# KiCad board wired-wizza.kicad_pcb
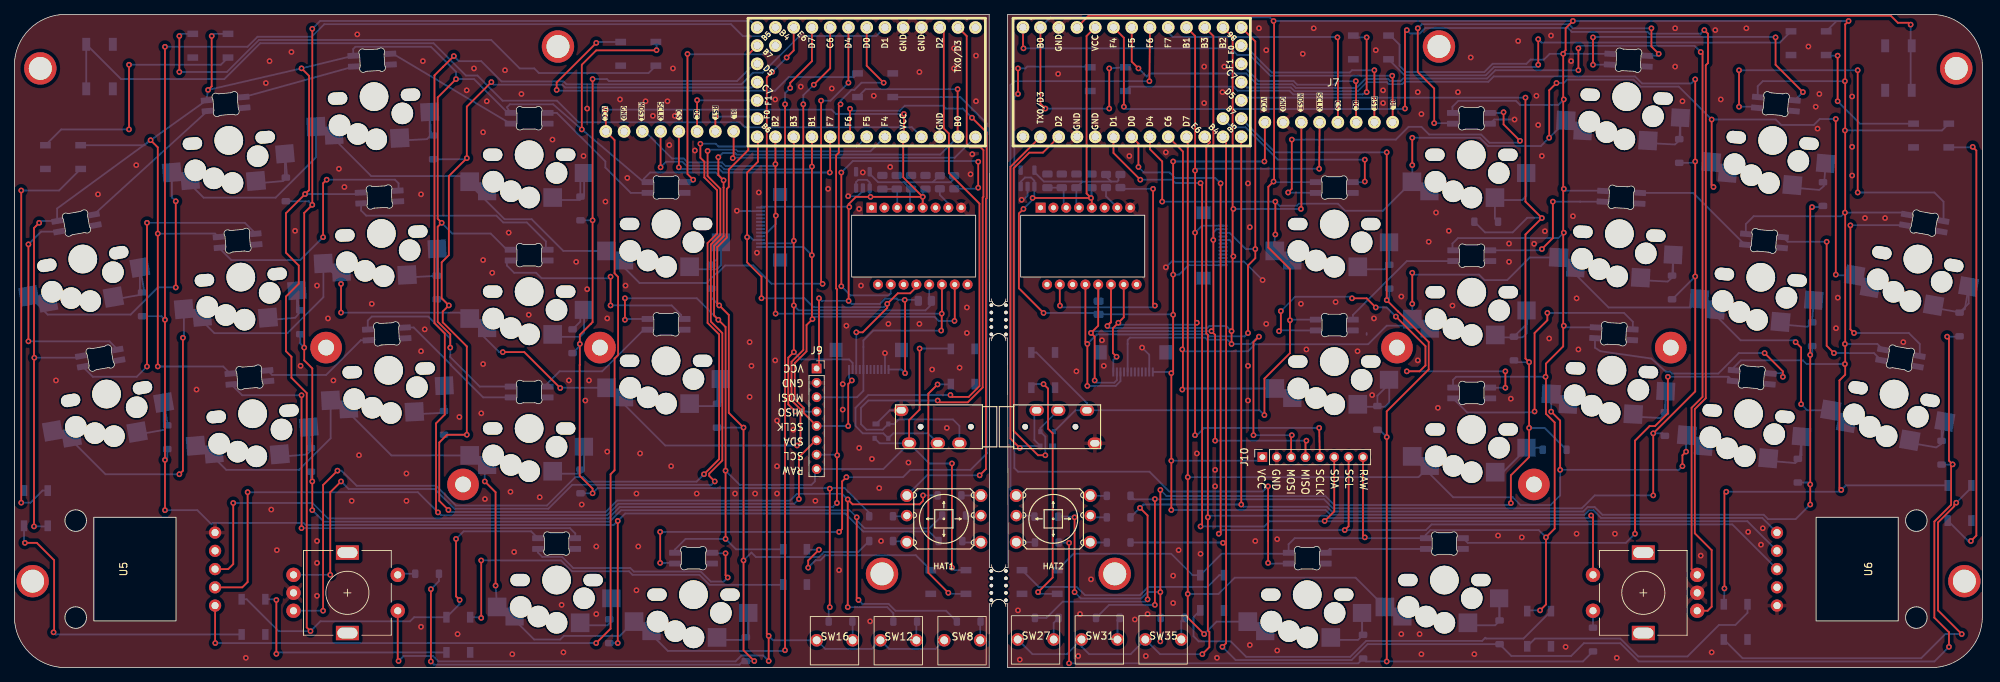
[diagram p0: board, top side]
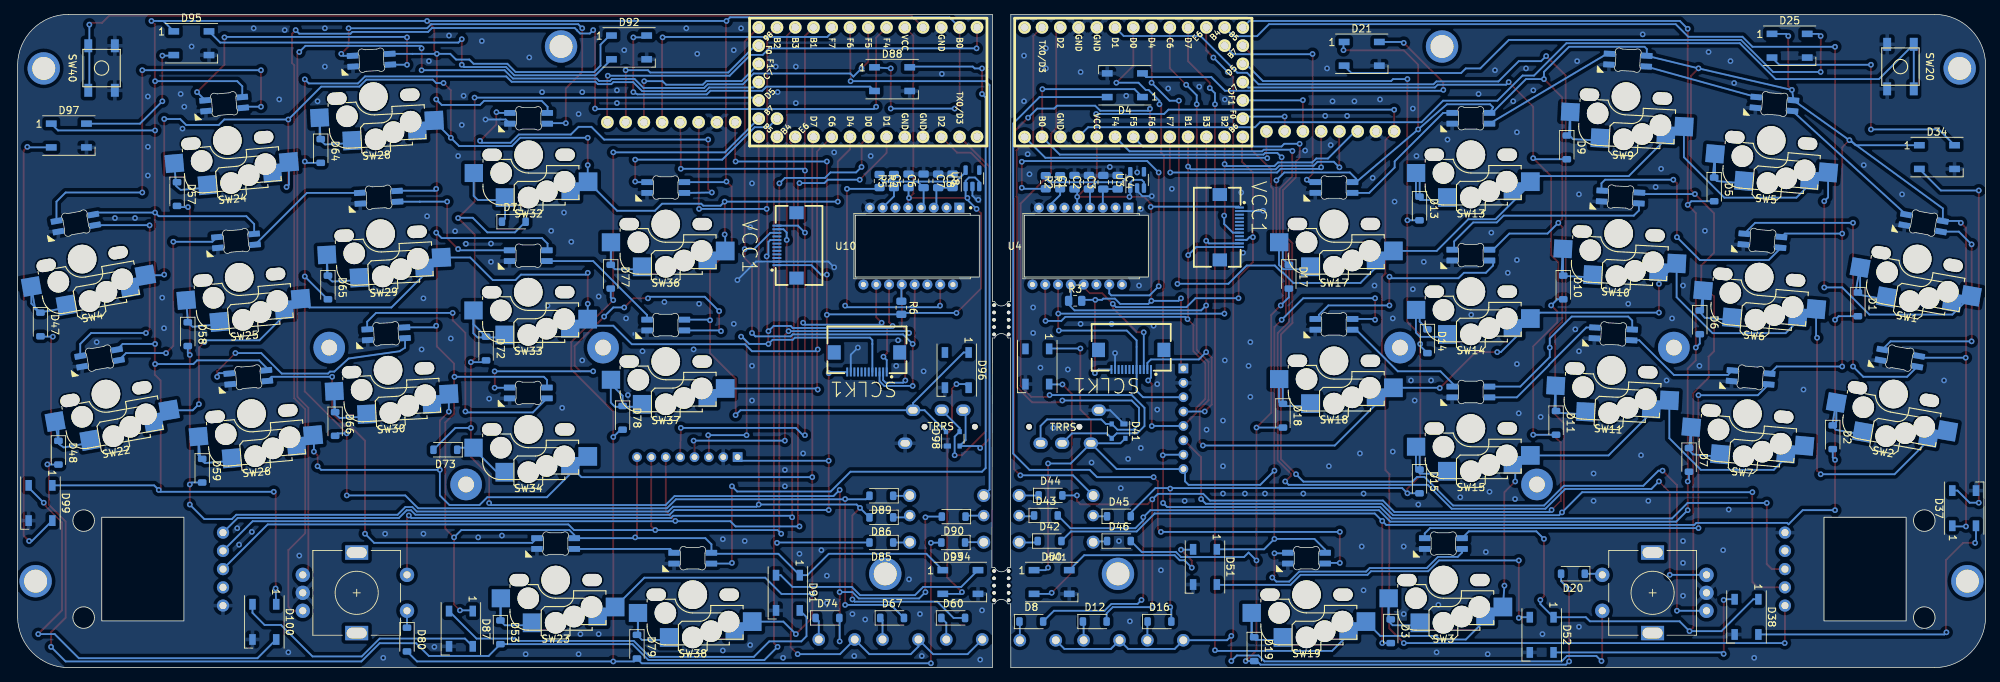
[diagram p1: board, bottom side, seen from below]

Outline 273.84 x 90.93 mm; copper layers: Top, Bottom. Coordinates in mm from the lower left corner of the outline.
Outline path: 0,83.82 arc(2.08,88.85) 7.11,90.93 135.64,90.93 135.66,50.96 136.03,50.96 arc(136.96,50.34) 137.88,50.96 138.2,50.96 138.2,90.93 266.72,90.93 arc(271.75,88.85) 273.84,83.82 273.84,7.11 arc(271.75,2.08) 266.72,0 138.2,0 138.2,8.88 137.88,8.88 arc(136.95,9.5) 136.03,8.88 135.66,8.88 135.64,0 7.11,0 arc(2.08,2.08) 0,7.11 0,83.82 ; 135.66,13.96 135.66,45.88 136.03,45.88 arc(136.95,46.5) 137.88,45.88 138.2,45.88 138.27,13.96 137.88,13.96 arc(136.95,13.34) 136.03,13.96 135.66,13.96
Stack: Top 0.035mm / dielectric 1.51mm FR4 er 4.5 / Bottom 0.035mm

## Placement (name value [footprint] x y rotation side)
C1  0.1uF  [C_0805_2012Metric]  126.77 67.57 90 bottom
C2  1uF  [C_0805_2012Metric]  124.77 67.57 90 bottom
C3  4.7uF  [C_0805_2012Metric]  122.77 67.57 90 bottom
C4  0.1uF  [C_0805_2012Metric]  120.77 67.57 270 bottom
C5  0.1uF  [C_0805_2012Metric]  149.87 67.75 90 bottom
C6  1uF  [C_0805_2012Metric]  147.77 67.76 90 bottom
C7  4.7uF  [C_0805_2012Metric]  143.74 67.76 90 bottom
C8  0.1uF  [C_0805_2012Metric]  145.74 67.76 270 bottom
D1  1N4148  [D_SOD-123]  17.77 50.57 270 bottom
D2  1N4148  [D_SOD-123]  21.27 32.07 270 bottom
D3  1N4148  [D_SOD-123]  82.77 5.07 270 bottom
D4  WS2812B  [LED_WS2812B_PLCC4_5.0x5.0mm_P3.2mm]  119.77 81.07 0 bottom
D5  1N4148  [D_SOD-123]  37.77 66.57 270 bottom
D6  1N4148  [D_SOD-123]  39.77 48.07 270 bottom
D7  1N4148  [D_SOD-123]  41.27 28.92 270 bottom
D8  1N4148  [D_SOD-123]  132.79 6.42 180 bottom
D9  1N4148  [D_SOD-123]  58.27 72.42 270 bottom
D10  1N4148  [D_SOD-123]  58.77 52.92 270 bottom
D11  1N4148  [D_SOD-123]  59.77 34.07 270 bottom
D12  1N4148  [D_SOD-123]  123.95 6.42 180 bottom
D13  1N4148  [D_SOD-123]  78.77 63.92 270 bottom
D14  1N4148  [D_SOD-123]  77.67 45.44 270 bottom
D15  1N4148  [D_SOD-123]  78.77 25.92 270 bottom
D16  1N4148  [D_SOD-123]  114.95 6.42 180 bottom
D17  1N4148  [D_SOD-123]  96.95 54.42 270 bottom
D18  1N4148  [D_SOD-123]  97.77 35.07 270 bottom
D19  1N4148  [D_SOD-123]  101.77 2.57 270 bottom
D20  1N4148  [D_SOD-123]  57.42 13.07 0 bottom
D21  WS2812B  [LED_WS2812B_PLCC4_5.0x5.0mm_P3.2mm]  86.81 85.44 180 bottom
D22  SK6812MINI-E  [MX_SK6812MINI-E_REV]  90.68 61.75 180 top
D23  SK6812MINI-E  [MX_SK6812MINI-E_REV]  31.5 54.36 185 top
D24  SK6812MINI-E  [MX_SK6812MINI-E_REV]  33.15 35.34 185 top
D25  WS2812B  [LED_WS2812B_PLCC4_5.0x5.0mm_P3.2mm]  27.27 86.57 180 bottom
D26  SK6812MINI-E  [MX_SK6812MINI-E_REV]  71.63 71.39 180 top
D27  SK6812MINI-E  [MX_SK6812MINI-E_REV]  51.07 60.44 183 top
D28  SK6812MINI-E  [MX_SK6812MINI-E_REV]  75.45 12.19 180 top
D29  SK6812MINI-E  [MX_SK6812MINI-E_REV]  50.05 79.49 183 top
D30  SK6812MINI-E  [MX_SK6812MINI-E_REV]  71.63 52.34 180 top
D31  SK6812MINI-E  [MX_SK6812MINI-E_REV]  94.5 10.16 180 top
D32  SK6812MINI-E  [MX_SK6812MINI-E_REV]  29.83 73.39 185 top
D33  SK6812MINI-E  [MX_SK6812MINI-E_REV]  90.68 42.7 180 top
D34  WS2812B  [LED_WS2812B_PLCC4_5.0x5.0mm_P3.2mm]  6.77 71.07 180 bottom
D35  SK6812MINI-E  [MX_SK6812MINI-E_REV]  9.52 56.88 190 top
D36  SK6812MINI-E  [MX_SK6812MINI-E_REV]  71.63 33.29 180 top
D37  WS2812B  [LED_WS2812B_PLCC4_5.0x5.0mm_P3.2mm]  2.99 22.2 90 bottom
D38  WS2812B  [LED_WS2812B_PLCC4_5.0x5.0mm_P3.2mm]  33.27 7.07 270 bottom
D39  SK6812MINI-E  [MX_SK6812MINI-E_REV]  12.82 38.08 190 top
D40  SK6812MINI-E  [MX_SK6812MINI-E_REV]  52.08 41.38 183 top
D41  PRTR5V0U2X  [SOT-143]  120.65 32.92 270 bottom
D42  1N4148  [D_SOD-123]  130.25 17.62 180 bottom
D43  1N4148  [D_SOD-123]  130.75 21.18 180 bottom
D44  1N4148  [D_SOD-123]  130.12 23.97 180 bottom
D45  1N4148  [D_SOD-123]  120.59 21.07 180 bottom
D46  1N4148  [D_SOD-123]  120.59 17.62 180 bottom
D47  1N4148  [D_SOD-123]  270.65 47.77 270 bottom
D48  1N4148  [D_SOD-123]  268.15 29.92 270 bottom
D49  WS2812B  [LED_WS2812B_PLCC4_5.0x5.0mm_P3.2mm]  131.95 41.92 270 bottom
D50  WS2812B  [LED_WS2812B_PLCC4_5.0x5.0mm_P3.2mm]  129.95 11.92 180 bottom
D51  WS2812B  [LED_WS2812B_PLCC4_5.0x5.0mm_P3.2mm]  108.62 14.02 270 bottom
D52  WS2812B  [LED_WS2812B_PLCC4_5.0x5.0mm_P3.2mm]  61.77 4.57 270 bottom
D53  1N4148  [D_SOD-123]  206.65 4.92 270 bottom
D54  SK6812MINI-E  [MX_SK6812MINI-E_REV]  183.65 61.75 180 top
D55  SK6812MINI-E  [MX_SK6812MINI-E_REV]  243 54.34 175 top
D56  SK6812MINI-E  [MX_SK6812MINI-E_REV]  241.3 35.36 175 top
D57  1N4148  [D_SOD-123]  251.65 65.92 270 bottom
D58  1N4148  [D_SOD-123]  250.15 46.42 270 bottom
D59  1N4148  [D_SOD-123]  248.15 27.42 270 bottom
D60  1N4148  [D_SOD-123]  143.65 6.92 180 bottom
D61  SK6812MINI-E  [MX_SK6812MINI-E_REV]  202.73 71.38 180 top
D62  SK6812MINI-E  [MX_SK6812MINI-E_REV]  223.33 60.4 177 top
D63  SK6812MINI-E  [MX_SK6812MINI-E_REV]  198.97 12.19 180 top
D64  1N4148  [D_SOD-123]  231.65 71.92 270 bottom
D65  1N4148  [D_SOD-123]  230.65 52.92 270 bottom
D66  1N4148  [D_SOD-123]  229.65 33.92 270 bottom
D67  1N4148  [D_SOD-123]  152.15 6.92 180 bottom
D68  SK6812MINI-E  [MX_SK6812MINI-E_REV]  224.33 79.48 177 top
D69  SK6812MINI-E  [MX_SK6812MINI-E_REV]  202.78 52.26 180 top
D70  SK6812MINI-E  [MX_SK6812MINI-E_REV]  179.89 10.15 180 top
D71  1N4148  [D_SOD-123]  204.79 62.07 180 bottom
D72  1N4148  [D_SOD-123]  208.65 44.42 270 bottom
D73  1N4148  [D_SOD-123]  214.32 30.32 0 bottom
D74  1N4148  [D_SOD-123]  161.15 6.92 180 bottom
D75  SK6812MINI-E  [MX_SK6812MINI-E_REV]  244.65 73.38 175 top
D76  SK6812MINI-E  [MX_SK6812MINI-E_REV]  183.65 42.61 180 top
D77  1N4148  [D_SOD-123]  191.3 54.42 270 bottom
D78  1N4148  [D_SOD-123]  189.65 34.77 270 bottom
D79  1N4148  [D_SOD-123]  187.65 2.92 270 bottom
D80  1N4148  [D_SOD-123]  219.65 3.91 270 bottom
D81  SK6812MINI-E  [MX_SK6812MINI-E_REV]  264.85 56.87 170 top
D82  SK6812MINI-E  [MX_SK6812MINI-E_REV]  202.78 33.16 180 top
D83  SK6812MINI-E  [MX_SK6812MINI-E_REV]  261.55 38.08 170 top
D84  SK6812MINI-E  [MX_SK6812MINI-E_REV]  222.29 41.4 177 top
D85  1N4148  [D_SOD-123]  153.65 17.42 0 bottom
D86  1N4148  [D_SOD-123]  153.65 20.92 0 bottom
D87  WS2812B  [LED_WS2812B_PLCC4_5.0x5.0mm_P3.2mm]  212.15 5.42 270 bottom
D88  WS2812B  [LED_WS2812B_PLCC4_5.0x5.0mm_P3.2mm]  152.15 81.92 180 bottom
D89  1N4148  [D_SOD-123]  153.65 23.92 0 bottom
D90  1N4148  [D_SOD-123]  143.59 21.02 0 bottom
D91  WS2812B  [LED_WS2812B_PLCC4_5.0x5.0mm_P3.2mm]  166.65 10.42 270 bottom
D92  WS2812B  [LED_WS2812B_PLCC4_5.0x5.0mm_P3.2mm]  188.76 86.33 180 bottom
D93  1N4148  [D_SOD-123]  143.65 17.42 0 bottom
D94  WS2812B  [LED_WS2812B_PLCC4_5.0x5.0mm_P3.2mm]  142.65 11.92 180 bottom
D95  WS2812B  [LED_WS2812B_PLCC4_5.0x5.0mm_P3.2mm]  249.65 86.92 180 bottom
D96  WS2812B  [LED_WS2812B_PLCC4_5.0x5.0mm_P3.2mm]  143.15 41.42 270 bottom
D97  WS2812B  [LED_WS2812B_PLCC4_5.0x5.0mm_P3.2mm]  266.7 74.07 180 bottom
D98  PRTR5V0U2X  [SOT-143]  143.71 31.85 90 bottom
D99  WS2812B  [LED_WS2812B_PLCC4_5.0x5.0mm_P3.2mm]  270.65 22.92 270 bottom
D100  WS2812B  [LED_WS2812B_PLCC4_5.0x5.0mm_P3.2mm]  239.5 6.37 270 bottom
HAT1  5Way-Tactile_K1-1506DN-01  [5Way-non-reverse]  129.33 20.71 180 top
HAT2  5Way-Tactile_K1-1506DN-01  [5Way-non-reverse]  144.55 20.71 180 top
J1  Conn_01x08_Female  [Screen Dupont]  91.39 74.93 0 top
J2  AudioJack4dpb  [TRRS-PJ-320A]  134.7 33.53 270 top
J3  Conn_01x12_Female  [FPC-SMD_FPC05012-09200-.5mm-rev]  105.19 61.3 270 bottom
J4  Conn_01x12_Female  [FPC-SMD_FPC05012-09200-.5mm-rev]  118.88 42.86 0 bottom
J5  AudioJack4dpb  [TRRS-PJ-320A]  139.04 33.53 90 top
J6  Conn_01x12_Female  [FPC-SMD_FPC05012-09200-.5mm-rev]  155.65 42.52 0 bottom
J7  Conn_01x08_Female  [Screen Dupont]  183.09 76.21 0 top
J8  Conn_01x12_Female  [FPC-SMD_FPC05012-09200-.5mm-rev]  166.82 58.77 90 bottom
J9  Conn_01x08  [PinSocket_1x08_P2.00mm_Vertical]  111.62 41.64 0 top
J10  Conn_01x08  [PinSocket_1x08_P2.00mm_Vertical]  173.65 29.31 90 top
mouse-bite-2mm-slot  VAL**  [mouse-bite-5mm-slot-with-space-for-track]  136.95 48.42 0 top
mouse-bite-2mm-slot#2  VAL**  [mouse-bite-5mm-slot-with-space-for-track]  136.95 11.42 0 top
NOREF  -  [unnamed]  153.11 13.05 0 top
NOREF#2  -  [unnamed]  270.2 83.41 0 top
NOREF#3  -  [unnamed#2]  3.71 83.41 0 top
NOREF#4  -  [unnamed#3]  265.63 12.04 0 top
NOREF#5  -  [unnamed]  120.73 13.05 0 top
NOREF#6  -  [unnamed#4]  88.34 86.46 0 top
NOREF#7  -  [unnamed#5]  6.04 12.04 0 top
NOREF#8  -  [unnamed#6]  188.92 86.46 0 top
R1  39  [R_0805_2012Metric]  130.77 67.57 270 bottom
R2  10K  [R_0805_2012Metric]  128.77 67.57 90 bottom
R3  10K  [R_0805_2012Metric]  126.68 51.05 180 bottom
R4  39  [R_0805_2012Metric]  153.9 67.74 270 bottom
R5  10K  [R_0805_2012Metric]  151.9 67.74 90 bottom
R6  10K  [R_0805_2012Metric]  150.86 50.09 270 bottom
REF**  Tenting Puck  [Tenting_Puck2]  62.43 44.55 0 top
REF**#2  Tenting Puck  [Tenting_Puck2]  211.43 44.55 0 top
SW1  SW_Push  [Kailh_hotswap_only_MX-CHOC]  9.52 56.88 190 top
SW2  SW_Push  [Kailh_hotswap_only_MX-CHOC]  12.82 38.08 190 top
SW3  SW_Push  [Kailh_hotswap_only_MX-CHOC]  75.45 12.19 180 top
SW4  SW_Push  [Kailh_hotswap_only_MX-CHOC]  264.85 56.87 170 top
SW5  SW_Push  [Kailh_hotswap_only_MX-CHOC]  29.83 73.39 185 top
SW6  SW_Push  [Kailh_hotswap_only_MX-CHOC]  31.5 54.36 185 top
SW7  SW_Push  [Kailh_hotswap_only_MX-CHOC]  33.15 35.34 185 top
SW8  SW_Push  [Silent Square Micro Switch]  131.92 3.81 0 top
SW9  SW_Push  [Kailh_hotswap_only_MX-CHOC]  50.05 79.49 183 top
SW10  SW_Push  [Kailh_hotswap_only_MX-CHOC]  51.07 60.44 183 top
SW11  SW_Push  [Kailh_hotswap_only_MX-CHOC]  52.08 41.38 183 top
SW12  SW_Push  [Silent Square Micro Switch]  123.05 3.81 0 top
SW13  SW_Push  [Kailh_hotswap_only_MX-CHOC]  71.63 71.39 180 top
SW14  SW_Push  [Kailh_hotswap_only_MX-CHOC]  71.63 52.34 180 top
SW15  SW_Push  [Kailh_hotswap_only_MX-CHOC]  71.63 33.29 180 top
SW16  SW_Push  [Silent Square Micro Switch]  114.17 3.81 0 top
SW17  SW_Push  [Kailh_hotswap_only_MX-CHOC]  90.68 61.75 180 top
SW18  SW_Push  [Kailh_hotswap_only_MX-CHOC]  90.68 42.7 180 top
SW19  SW_Push  [Kailh_hotswap_only_MX-CHOC]  94.5 10.16 180 top
SW20  SW_Push  [SKQG-1155865]  11.85 83.66 90 bottom
SW21  Rotary_Encoder_Switch  [RotaryEncoder_Alps_EC11E-Switch_Vertical_H20mm-keebio_modified]  46.34 10.41 0 top
SW22  SW_Push  [Kailh_hotswap_only_MX-CHOC]  261.55 38.08 170 top
SW23  SW_Push  [Kailh_hotswap_only_MX-CHOC]  198.97 12.19 180 top
SW24  SW_Push  [Kailh_hotswap_only_MX-CHOC]  244.65 73.38 175 top
SW25  SW_Push  [Kailh_hotswap_only_MX-CHOC]  243 54.34 175 top
SW26  SW_Push  [Kailh_hotswap_only_MX-CHOC]  241.3 35.36 175 top
SW27  SW_Push  [Silent Square Micro Switch]  142.15 3.92 0 top
SW28  SW_Push  [Kailh_hotswap_only_MX-CHOC]  224.33 79.48 177 top
SW29  SW_Push  [Kailh_hotswap_only_MX-CHOC]  223.33 60.4 177 top
SW30  SW_Push  [Kailh_hotswap_only_MX-CHOC]  222.29 41.4 177 top
SW31  SW_Push  [Silent Square Micro Switch]  151.03 3.92 0 top
SW32  SW_Push  [Kailh_hotswap_only_MX-CHOC]  202.73 71.38 180 top
SW33  SW_Push  [Kailh_hotswap_only_MX-CHOC]  202.78 52.26 180 top
SW34  SW_Push  [Kailh_hotswap_only_MX-CHOC#2]  202.78 33.16 180 top
SW35  SW_Push  [Silent Square Micro Switch]  159.9 3.92 0 top
SW36  SW_Push  [Kailh_hotswap_only_MX-CHOC]  183.65 61.75 180 top
SW37  SW_Push  [Kailh_hotswap_only_MX-CHOC]  183.65 42.61 180 top
SW38  SW_Push  [Kailh_hotswap_only_MX-CHOC]  179.89 10.15 180 top
SW39  Rotary_Encoder_Switch  [RotaryEncoder_Alps_EC11E-Switch_Vertical_H20mm-keebio_modified]  226.65 10.41 180 top
SW40  SW_Push  [SKQG-1155865]  262.15 83.46 270 bottom
U1  -  [Helios]  117.32 81.5 180 top
U3  TCR2EF19,LM(CT  [SOT-23-5]  118.06 67.88 90 bottom
U4  -  [PMW3360DM-T2QU]  124.94 58.67 0 bottom
U5  DRV2605L  [Pimoroni Haptic Buzz DRV2605L Driver]  17.53 13.72 90 top
U6  DRV2605L  [Pimoroni Haptic Buzz DRV2605L Driver]  255.65 13.72 270 top
U7  -  [Helios]  156.74 81.5 0 top
U8  TCR2EF19,LM(CT  [SOT-23-5]  140.98 68.11 90 bottom
U10  -  [PMW3360DM-T2QU]  148.45 58.67 0 bottom

## Library data of the parts
C1 C4 C5 C8 = -: Description: Unpolarized capacitor; LCSC: C77456; MPN : 0805B104K101CT; Package: 0805
C2 C6 = -: Description: Unpolarized capacitor; LCSC: C366879; MPN : 0805B105K100CT; Package: 0805
C3 C7 = -: Description: Unpolarized capacitor; LCSC: C303940; MPN : 0805X475K250CT; Package: 0805
D1-D3 D5-D20 D47 D48 D53 D57-D60 D64-D67 D71-D74 D77-D80 = -: Description: 100V 0.15A standard switching diode, DO-35; LCSC: C8598; MPN : B5819W SL; Package: SOD-123
D4 D21 D25 D34 D37 D38 D49-D52 D87 D88 D91 D92 D94-D97 D99 D100 = -: Description: RGB LED with integrated controller; LCSC: C2843785; MPN : XL-5050RGBC-WS2812B; Package: SMD5050
D22-D24 D26-D33 D35 D36 D39 D40 D54-D56 D61-D63 D68-D70 D75 D76 D81-D84 = -: Description: Reverse-mount RGB LED with integrated controller; MPN : DY-S352818/RGBC/6812-2T; Package: SMD3528; Field6: 1
D41 D98 = -: Description: Ultra low capacitance double rail-to-rail ESD protection diode, SOT-143; LCSC: C12333; MPN : PRTR5V0U2X,215; Package: SOT-143
D42-D46 D85 D86 D89 D90 D93 = -: Description: Diode; LCSC: C8598; MPN : B5819W SL; Package: SOD-123
J1 J7 J9 J10 = -: Description: Generic connector, single row, 01x08, script generated (kicad-library-utils/schlib/autogen/connector/)
J2 = -: Field5: Sleeve; Field6: Ring2; Field7: Ring1; Field8: Tip
J3 J4 J6 J8 = -: Description: Generic connector, single row, 01x12, script generated (kicad-library-utils/schlib/autogen/connector/); LCSC: C479750; MPN : FPC05012-09200; Package: SMD,P=0.5mm
J5 = -: Field5: Ring1; Field6: Tip; Field7: Sleeve; Field8: Ring2
R1 R4 = -: Description: Resistor; LCSC: C514993; MPN : SG73P2ATTD39R0F; Package: 0805
R2 R3 R5 R6 = -: Description: Resistor; LCSC: C406725; MPN : ARG05BTC1002; Package: 0805
SW1-SW19 SW22-SW38 = -: Description: Push button switch, generic, two pins
SW20 SW40 = -: Description: Push button switch, generic, two pins; LCSC: C221856; MPN : PTS525SM15SMTR2LFS; Package: SMD,5.2x5.2mm
U3 U8 = -: Description: 200mA Low Dropout Voltage Regulator, Fixed Output 1.9V, SOT-23-5; LCSC: C146366; Package: SOT-25
U4 U10 = -: Description: High-end gaming integrated chip in 16-pin molded lead-frame DIP package

## Footprints (pads in the part's own frame, mm; a bottom-side part is the same pattern mirrored in y, then rotated)
5Way-non-reverse
  round 1.8 hole 1.2: 1(-5.15,3.25) 3(-5.15,-3.25) 4(5.15,-3.25) 6(5.15,3.25)
  round 1.6 hole 1: 2(-5.15,-0.45) 5(5.15,-0.45)
C_0805_2012Metric
  rrect 1x1.45 smd: 1(-0.95,0) 2(0.95,0)
D_SOD-123
  rrect 0.9x1.2 smd: 1(-1.65,0) 2(1.65,0)
FPC-SMD_FPC05012-09200-.5mm-rev
  rect 0.28x1.25 smd: 1(-2.75,1.362) 2(-2.25,1.362) 3(-1.75,1.362) 4(-1.25,1.362) 5(-0.75,1.362) 6(-0.25,1.362) 7(0.25,1.362) 8(0.75,1.362) 9(1.25,1.362) 10(1.75,1.362) 11(2.25,1.362) 12(2.75,1.362)
  rect 1.8x2 smd: 13(4.55,-1.362) 14(-4.55,-1.362)
Helios
  round 1.753 hole 1.092: 1(-13.97,-7.62) 2(-11.43,-7.62) 3(-8.89,-7.62) 4(-6.35,-7.62) 5(-3.81,-7.62) 6(-1.27,-7.62) 7(1.27,-7.62) 8(3.81,-7.62) 9(6.35,-7.62) 10(8.89,-7.62) 11(11.43,-7.62) 12(13.97,-7.6) 13(13.97,7.62) 14(11.43,7.62) 15(8.89,7.62) 16(6.35,7.62) 17(3.81,7.62) 18(1.27,7.62) 19(-1.27,7.62) 20(-3.81,7.62) 21(-6.35,7.62) 22(-8.89,7.62) 23(-11.43,7.62) 24(-13.97,7.62) 25(13.97,-5.08) 26(13.97,-2.54) 27(13.97,0) 28(13.97,2.54) 29(13.97,5.08) 30(11.43,-5.08) 31(-16.4,-7.6) 32(-16.4,7.64)
Kailh_hotswap_only_MX-CHOC
  oval 2.702x1.702 hole 2.702x1.702 unplated: (-5.08,0.004) (5.08,0)
  round 3 hole 3 unplated: (-3.81,2.54) (0.002,5.953) (2.54,5.08) (5,3.75)
  round 3.988 hole 3.988 unplated: (0.002,0.003)
  rect 2.55x2.5 smd far side: 1(5.844,5.083) 2(-7.62,2.54)
  rect 2.6x2.6 smd far side: 1(8.275,3.75) 2(-3.273,5.953)
  rrect 1x0.25 smd far side rot 45: 2(-8.343,5.558)
  rect 0.25x4 smd far side: 2(-8.026,2.73)
  rect 3x0.25 smd far side: 2(-6.6,6.68)
Kailh_hotswap_only_MX-CHOC#2
  oval 2.702x1.702 hole 2.702x1.702 unplated: (-5.08,0.004) (5.08,0)
  round 3 hole 3 unplated: (-3.81,2.54) (0.002,5.953) (2.54,5.08) (5,3.75)
  round 3.988 hole 3.988 unplated: (0.002,0.003)
  rect 2.55x2.5 smd far side: 1(5.844,5.083) 2(-7.62,2.54)
  rect 2.6x2.6 smd far side: 1(8.275,3.75) 2(-3.273,5.953)
LED_WS2812B_PLCC4_5.0x5.0mm_P3.2mm
  rect 1.5x0.9 smd: 1(-2.45,1.65) 2(-2.45,-1.65) 3(2.45,-1.65) 4(2.45,1.65)
mouse-bite-5mm-slot-with-space-for-track
  round 0.5 hole 0.5 unplated: (-1.016,2.032) (-1.016,1.016) (-1.016,0) (-1.016,-1.016) (-1.016,-2.032) (1.016,2.032) (1.016,1.016) (1.016,0) (1.016,-1.016) (1.016,-2.032)
MX_SK6812MINI-E_REV
  rrect 1.6x0.82 smd far side: 1(2.6,-5.83) 2(2.6,-4.33) 3(-2.6,-4.33) 4(-2.6,-5.83)
Pimoroni Haptic Buzz DRV2605L Driver
  round 1.7 hole 1: 1(-5.08,-10.4)
  oval 1.7x1.7 hole 1: 2(-2.54,-10.4) 3(0,-10.4) 4(2.54,-10.4) 5(5.08,-10.4)
PinSocket_1x08_P2.00mm_Vertical
  rect 1.35x1.35 hole 0.8: 1(0,0)
  oval 1.35x1.35 hole 0.8: 2(0,-2) 3(0,-4) 4(0,-6) 5(0,-8) 6(0,-10) 7(0,-12) 8(0,-14)
PMW3360DM-T2QU
  rect 1.4x1.4 hole 0.7: 1(-5.66,-5.35)
  round 1.4 hole 0.7: 2(-3.88,-5.35) 3(-2.1,-5.35) 4(-0.32,-5.35) 5(1.46,-5.35) 6(3.24,-5.35) 7(5.02,-5.35) 8(6.8,-5.35) 9(7.69,5.35) 10(5.91,5.35) 11(4.13,5.35) 12(2.35,5.35) 13(0.57,5.35) 14(-1.21,5.35) 15(-2.99,5.35) 16(-4.77,5.35)
R_0805_2012Metric
  rrect 1.025x1.4 smd: 1(-0.912,0) 2(0.912,0)
RotaryEncoder_Alps_EC11E-Switch_Vertical_H20mm-keebio_modified
  round 2 hole 1: A(-7.5,2.5) B(-7.5,-2.5) C(-7.5,0) S1(7,-2.5) S2(7,2.5)
  rect 3.2x2 hole 2.8x1.5: MP(0,5.6) MP(0,-5.6)
Screen Dupont
  round 1.753 hole 1.092: 1(-9.095,-0.288) 2(-6.555,-0.288) 3(-4.015,-0.288) 4(-1.475,-0.288) 5(1.065,-0.288) 6(3.605,-0.288) 7(6.145,-0.288) 8(8.685,-0.288)
Silent Square Micro Switch
  round 1.753 hole 1.092: 1(-2.54,0) 2(2.46,0)
SKQG-1155865
  rect 1.8x1.1 smd: 1(-3.1,-1.85) 1(3.1,-1.85) 2(-3.1,1.85) 2(3.1,1.85)
SOT-23-5
  rrect 1.325x0.6 smd: 1(-1.137,0.95) 2(-1.137,0) 3(-1.137,-0.95) 4(1.137,-0.95) 5(1.137,0.95)
SOT-143
  rect 0.7x1 smd: 1(-1,0.75)
  rect 0.7x0.6 smd: 2(-1,-0.95) 3(1,-0.95) 4(1,0.95)
Tenting_Puck2
  round 4.4 hole 2.2: 1(-19.05,0) 1(0,-19.05) 1(19.05,0)
TRRS-PJ-320A
  round 0.8 hole 0.8 unplated: (0,-1.6) (0,-8.6)
  oval 1.6x2 hole 0.9x1.3: A(2.3,-6.2) B(2.3,-3.2) C(-2.3,-11.3) D(2.3,-10.2)
unnamed
  round 4.5 hole 3.2: 1(0,0)
unnamed#2
  round 4.5 hole 3.2: 1(-0.1,0)
unnamed#3
  round 4.5 hole 3.2: 1(5.7,0)
unnamed#4
  round 4.5 hole 3.2: 1(-12.7,0)
unnamed#5
  round 4.5 hole 3.2: 1(-3.5,0)
unnamed#6
  round 4.5 hole 3.2: 1(9.3,0)

## Nets
GND: C5.2 C6.2 C7.2 C8.1 D54.3 D55.3 D56.3 D61.3 D62.3 D63.3 D68.3 D69.3 D70.3 D75.3 D76.3 D81.3 D82.3 D83.3 D84.3 D87.3 D88.3 D91.3 D92.3 D94.3 D95.3 D96.3 D97.3 D98.1 D99.3 D100.3 J5.C J6.11 J7.2 J8.2 J10.2 SW39.C SW40.2 U6.5 U7.3 U7.4 U7.23 U8.2 U10.8
GND_L: C1.2 C2.2 C3.2 C4.1 D4.3 D21.3 D22.3 D23.3 D24.3 D25.3 D26.3 D27.3 D28.3 D29.3 D30.3 D31.3 D32.3 D33.3 D34.3 D35.3 D36.3 D37.3 D38.3 D39.3 D40.3 D41.1 D49.3 D50.3 D51.3 D52.3 J1.2 J2.C J3.2 J4.11 J9.2 SW20.2 SW21.C U1.3 U1.4 U1.23 U3.2 U4.8 U5.5
VCC: C5.1 J6.12 J7.1 J8.1 J10.1 R6.2 U6.1 U7.21 U8.1 U8.3 U10.5
VCC_L: C1.1 J1.1 J3.1 J4.12 J9.1 R3.2 U1.21 U3.1 U3.3 U4.5 U5.1
VDD: C6.1 R4.1 R5.2 U8.5 U10.4
VDD_L: C2.1 R1.1 R2.2 U3.5 U4.4
col0: D47.2 D48.2 D53.2 D85.2 U7.11
col0_L: D1.2 D2.2 D3.2 D42.2 U1.11
col1: D57.2 D58.2 D59.2 D60.2 D86.2 U7.12
col1_L: D5.2 D6.2 D7.2 D8.2 D43.2 U1.12
col2: D64.2 D65.2 D66.2 D67.2 D89.2 U7.27
col2_L: D9.2 D10.2 D11.2 D12.2 D44.2 U1.27
col3: D71.2 D72.2 D73.2 D74.2 D90.2 U7.26
col3_L: D13.2 D14.2 D15.2 D16.2 D45.2 U1.26
col4: D77.2 D78.2 D79.2 D80.2 D93.2 U7.25
col4_L: D17.2 D18.2 D19.2 D20.2 D46.2 U1.25
EncL: SW39.A U7.20
EncL_L: SW21.A U1.20
EncR: SW39.B U7.19
EncR_L: SW21.B U1.19
LED_5V: D54.4 U7.30
LED_5V_L: D22.4 U1.30
MISO: J6.2 J8.11 J10.4 R6.1 U7.15 U10.12
MISO_L: J3.11 J4.2 J9.4 R3.1 U1.15 U4.12
MOSI: J6.5 J7.3 J8.8 J10.3 U7.14 U10.11
MOSI_L: J1.3 J3.8 J4.5 J9.3 U1.14 U4.11
NCS: J6.3 J8.10 U7.13 U10.13
NCS_L: J3.10 J4.3 U1.13 U4.13
RAW: D54.1 D55.1 D56.1 D61.1 D62.1 D63.1 D68.1 D69.1 D70.1 D75.1 D76.1 D81.1 D82.1 D83.1 D84.1 D87.1 D88.1 D91.1 D92.1 D94.1 D95.1 D96.1 D97.1 D98.4 D99.1 D100.1 J5.D J10.8 U7.24
RAW_L: D4.1 D21.1 D22.1 D23.1 D24.1 D25.1 D26.1 D27.1 D28.1 D29.1 D30.1 D31.1 D32.1 D33.1 D34.1 D35.1 D36.1 D37.1 D38.1 D39.1 D40.1 D41.4 D49.1 D50.1 D51.1 D52.1 J2.D J9.8 U1.24
RESET: SW40.1 U7.22
RESET_L: SW20.1 U1.22
row_0: SW4.1 SW24.1 SW28.1 SW32.1 SW36.1 U7.7
row_0_L: SW1.1 SW5.1 SW9.1 SW13.1 SW17.1 U1.7
row_1: SW22.1 SW25.1 SW29.1 SW33.1 SW37.1 U7.8
row_1_L: SW2.1 SW6.1 SW10.1 SW14.1 SW18.1 U1.8
row_2: SW23.1 SW26.1 SW30.1 SW34.1 SW38.1 U7.9
row_2_L: SW3.1 SW7.1 SW11.1 SW15.1 SW19.1 U1.9
row_3: SW27.1 SW31.1 SW35.1 SW39.S1 U7.10
row_3_L: SW8.1 SW12.1 SW16.1 SW21.S1 U1.10
row_4: HAT2.4 U7.18
row_4_L: HAT1.4 U1.18
RX: D98.3 J5.A U7.2
RX_L: D41.3 J2.A U1.2
SCL: J10.7 U6.3 U7.6
SCL_L: J9.7 U1.6 U5.3
SCLK: J6.1 J7.4 J8.12 J10.5 U7.16 U10.10
SCLK_L: J1.4 J3.12 J4.1 J9.5 U1.16 U4.10
SDA: J10.6 U6.2 U7.5
SDA_L: J9.6 U1.5 U5.2
TFT_BL: J7.8 U7.32
TFT_BL_L: J1.8 U1.32
TFT_CS: J7.5 U7.17
TFT_CS_L: J1.5 U1.17
TFT_DC: J7.6 U7.28
TFT_DC_L: J1.6 U1.28
TFT_RST: J7.7 U7.29
TFT_RST_L: J1.7 U1.29
TX: D98.2 J5.B U7.1
TX_L: D41.2 J2.B U1.1
Net-(D1-K): D1.1 SW1.2
Net-(D2-K): D2.1 SW2.2
Net-(D3-K): D3.1 SW3.2
Net-(D5-K): D5.1 SW5.2
Net-(D6-K): D6.1 SW6.2
Net-(D7-K): D7.1 SW7.2
Net-(D8-K): D8.1 SW8.2
Net-(D9-K): D9.1 SW9.2
Net-(D10-K): D10.1 SW10.2
Net-(D11-K): D11.1 SW11.2
Net-(D12-K): D12.1 SW12.2
Net-(D13-K): D13.1 SW13.2
Net-(D14-K): D14.1 SW14.2
Net-(D15-K): D15.1 SW15.2
Net-(D16-K): D16.1 SW16.2
Net-(D17-K): D17.1 SW17.2
Net-(D18-K): D18.1 SW18.2
Net-(D19-K): D19.1 SW19.2
Net-(D20-K): D20.1 SW21.S2
Net-(D21-DIN): D4.2 D21.4
Net-(D21-DOUT): D21.2 D25.4
Net-(D22-DOUT): D22.2 D26.4
Net-(D23-DIN): D23.4 D39.2
Net-(D23-DOUT): D23.2 D27.4
Net-(D24-DIN): D24.4 D40.2
Net-(D24-DOUT): D24.2 D28.4
Net-(D25-DOUT): D25.2 D34.4
Net-(D26-DOUT): D26.2 D29.4
Net-(D27-DOUT): D27.2 D30.4
Net-(D28-DOUT): D28.2 D31.4
Net-(D29-DOUT): D29.2 D32.4
Net-(D30-DOUT): D30.2 D33.4
Net-(D31-DOUT): D4.4 D31.2
Net-(D32-DOUT): D32.2 D35.4
Net-(D33-DOUT): D33.2 D36.4
Net-(D34-DOUT): D34.2 D37.4
Net-(D35-DOUT): D35.2 D39.4
Net-(D36-DOUT): D36.2 D40.4
Net-(D37-DOUT): D37.2 D38.4
Net-(D38-DOUT): D38.2 D52.4
Net-(D42-K): D42.1 HAT1.1
Net-(D43-K): D43.1 HAT1.2
Net-(D44-K): D44.1 HAT1.3
Net-(D45-K): D45.1 HAT1.5
Net-(D46-K): D46.1 HAT1.6
Net-(D47-K): D47.1 SW4.2
Net-(D48-K): D48.1 SW22.2
Net-(D49-DIN): D49.4 D50.2
Net-(D50-DIN): D50.4 D51.2
Net-(D51-DIN): D51.4 D52.2
Net-(D53-K): D53.1 SW23.2
Net-(D54-DOUT): D54.2 D61.4
Net-(D55-DIN): D55.4 D83.2
Net-(D55-DOUT): D55.2 D62.4